# EAGLE board Mk4 Final Panel 8up 4x2 (EAGLE 9.0.1), part 23 of 23
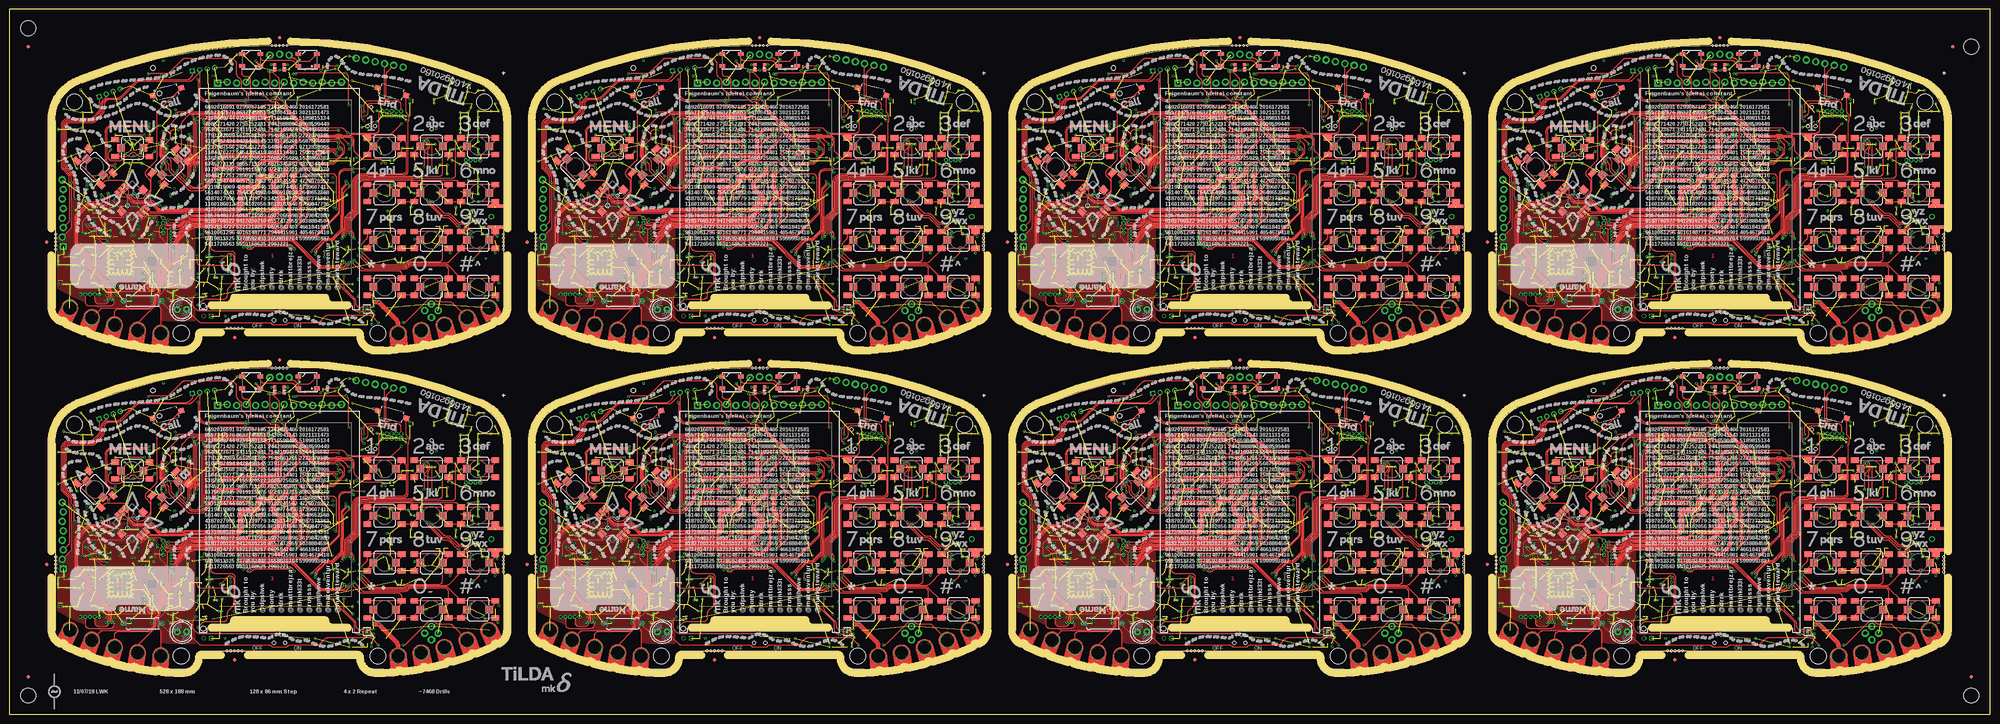
[diagram p0: board, top side]
## Tracks (layer width: path | path; a pad name or v marks a point on that pad's centre or on a via) (continued)
VBATT7  (via drill 0.3)  (19 unrouted) (continued)
  pour Bottom (no thermals): 489.09,120.25 487.25,120.25 arc-90 486.25,121.25 486.25,122 arc-90 487.25,123 497,123 arc90 498,124 498,127.25 arc-90 499,128.25 499.25,128.25 499.5,128.5 499.5,131 501,131 501,128.8 arc-90 500,127.8 499.75,127.8 arc90 498.75,126.8 498.75,122 arc-90 497.75,121 490.66,121 arc45 489.96,120.71 489.79,120.54 arc-45
  pour 3V3@2 (no thermals): 488,123.5 490.5,123.5 491.5,122.5 491.5,121 491,120.5 481.5,120.5 479.5,118.5 438,118.5 436.8,117.4 436.8,111.6 436.3,111 435,111 434.75,111.25 434.75,118.5 436.25,120 478,120 480.5,122.5 487,122.5
  pour Bottom (no thermals): 428.2,111.9 428.2,111.8 428.75,111.8 429.1,111.45 429.1,111.05 arc90 429.6,110.55 430.8,110.55 430.8,111.5 430.15,111.5 429.8,111.85 429,111.85 428.95,111.9
VBUS  (via drill 0.3)  (3 unrouted)
  Top 0.2: v89.75,84.95 76.55,84.95 v76.35,84.75
  Top 0.22: v90.5,76.5 90.5,83.79 arc45 90.21,84.49 v89.75,84.95
  3V3@2 0.2: v57.5,40.75 52.75,40.75 v51.5,42
  3V3@2 0.75: 51,42 51,43.5 54.25,46.75 v54.25,79 v53.75,79.5 | v51.5,42 51,42 | 51,42 v50.75,42 | v54.25,84.25 75.25,84.25 v75.75,84.75 v76.35,84.75
  Bottom 0.15: v89.75,84.95 89.7,85 IC7.5
  Bottom 0.2: LED6.A v57.5,40.75
  Bottom 0.22: IC1.96 78.2,73.5 arc-90 79.2,74.5 89.5,74.5 arc90 90.5,75.5 v90.5,76.5
  Bottom 0.5: TP7.TP v75.75,84.75
  Bottom 0.75: L2.2 v75.75,84.75 | v54.25,79 53.79,79.46 arc-45 53.5,80.16 53.5,83.09 arc-45 53.79,83.79 v54.25,84.25 v55,84.25
  pour Bottom (no thermals): 52.05,37.7 52.05,41.95 51.65,42.35 50.65,42.35 50.25,41.95 50.25,37.8 50.85,37.2 51.6,37.2 51.6,37.7
VBUS1  (via drill 0.3)  (3 unrouted)
  Top 0.2: v217.75,84.95 204.55,84.95 v204.35,84.75
  Top 0.22: v218.5,76.5 218.5,83.79 arc45 218.21,84.49 v217.75,84.95
  3V3@2 0.2: v185.5,40.75 180.75,40.75 v179.5,42
  3V3@2 0.75: 179,42 179,43.5 182.25,46.75 v182.25,79 v181.75,79.5 | v179.5,42 179,42 | 179,42 v178.75,42 | v182.25,84.25 203.25,84.25 v203.75,84.75 v204.35,84.75
  Bottom 0.15: v217.75,84.95 217.7,85 IC23.5
  Bottom 0.2: LED12.A v185.5,40.75
  Bottom 0.22: IC20.96 206.2,73.5 arc-90 207.2,74.5 217.5,74.5 arc90 218.5,75.5 v218.5,76.5
  Bottom 0.5: TP26.TP v203.75,84.75
  Bottom 0.75: L10.2 v203.75,84.75 | v182.25,79 181.79,79.46 arc-45 181.5,80.16 181.5,83.09 arc-45 181.79,83.79 v182.25,84.25 v183,84.25
  pour Bottom (no thermals): 180.05,37.7 180.05,41.95 179.65,42.35 178.65,42.35 178.25,41.95 178.25,37.8 178.85,37.2 179.6,37.2 179.6,37.7
VBUS2  (via drill 0.3)  (3 unrouted)
  Top 0.2: v89.75,170.95 76.55,170.95 v76.35,170.75
  Top 0.22: v90.5,162.5 90.5,169.79 arc45 90.21,170.49 v89.75,170.95
  3V3@2 0.2: v57.5,126.75 52.75,126.75 v51.5,128
  3V3@2 0.75: 51,128 51,129.5 54.25,132.75 v54.25,165 v53.75,165.5 | v51.5,128 51,128 | 51,128 v50.75,128 | v54.25,170.25 75.25,170.25 v75.75,170.75 v76.35,170.75
  Bottom 0.15: v89.75,170.95 89.7,171 IC41.5
  Bottom 0.2: LED18.A v57.5,126.75
  Bottom 0.22: IC38.96 78.2,159.5 arc-90 79.2,160.5 89.5,160.5 arc90 90.5,161.5 v90.5,162.5
  Bottom 0.5: TP45.TP v75.75,170.75
  Bottom 0.75: L19.2 v75.75,170.75 | v54.25,165 53.79,165.46 arc-45 53.5,166.16 53.5,169.09 arc-45 53.79,169.79 v54.25,170.25 v55,170.25
  pour Bottom (no thermals): 52.05,123.7 52.05,127.95 51.65,128.35 50.65,128.35 50.25,127.95 50.25,123.8 50.85,123.2 51.6,123.2 51.6,123.7
VBUS3  (via drill 0.3)  (3 unrouted)
  Top 0.2: v217.75,170.95 204.55,170.95 v204.35,170.75
  Top 0.22: v218.5,162.5 218.5,169.79 arc45 218.21,170.49 v217.75,170.95
  3V3@2 0.2: v185.5,126.75 180.75,126.75 v179.5,128
  3V3@2 0.75: 179,128 179,129.5 182.25,132.75 v182.25,165 v181.75,165.5 | v179.5,128 179,128 | 179,128 v178.75,128 | v182.25,170.25 203.25,170.25 v203.75,170.75 v204.35,170.75
  Bottom 0.15: v217.75,170.95 217.7,171 IC59.5
  Bottom 0.2: LED24.A v185.5,126.75
  Bottom 0.22: IC56.96 206.2,159.5 arc-90 207.2,160.5 217.5,160.5 arc90 218.5,161.5 v218.5,162.5
  Bottom 0.5: TP64.TP v203.75,170.75
  Bottom 0.75: L28.2 v203.75,170.75 | v182.25,165 181.79,165.46 arc-45 181.5,166.16 181.5,169.09 arc-45 181.79,169.79 v182.25,170.25 v183,170.25
  pour Bottom (no thermals): 180.05,123.7 180.05,127.95 179.65,128.35 178.65,128.35 178.25,127.95 178.25,123.8 178.85,123.2 179.6,123.2 179.6,123.7
VBUS4  (via drill 0.3)  (3 unrouted)
  Top 0.2: v345.75,84.95 332.55,84.95 v332.35,84.75
  Top 0.22: v346.5,76.5 346.5,83.79 arc45 346.21,84.49 v345.75,84.95
  3V3@2 0.2: v313.5,40.75 308.75,40.75 v307.5,42
  3V3@2 0.75: 307,42 307,43.5 310.25,46.75 v310.25,79 v309.75,79.5 | v307.5,42 307,42 | 307,42 v306.75,42 | v310.25,84.25 331.25,84.25 v331.75,84.75 v332.35,84.75
  Bottom 0.15: v345.75,84.95 345.7,85 IC77.5
  Bottom 0.2: LED30.A v313.5,40.75
  Bottom 0.22: IC74.96 334.2,73.5 arc-90 335.2,74.5 345.5,74.5 arc90 346.5,75.5 v346.5,76.5
  Bottom 0.5: TP83.TP v331.75,84.75
  Bottom 0.75: L37.2 v331.75,84.75 | v310.25,79 309.79,79.46 arc-45 309.5,80.16 309.5,83.09 arc-45 309.79,83.79 v310.25,84.25 v311,84.25
  pour Bottom (no thermals): 308.05,37.7 308.05,41.95 307.65,42.35 306.65,42.35 306.25,41.95 306.25,37.8 306.85,37.2 307.6,37.2 307.6,37.7
VBUS5  (via drill 0.3)  (3 unrouted)
  Top 0.2: v473.75,84.95 460.55,84.95 v460.35,84.75
  Top 0.22: v474.5,76.5 474.5,83.79 arc45 474.21,84.49 v473.75,84.95
  3V3@2 0.2: v441.5,40.75 436.75,40.75 v435.5,42
  3V3@2 0.75: 435,42 435,43.5 438.25,46.75 v438.25,79 v437.75,79.5 | v435.5,42 435,42 | 435,42 v434.75,42 | v438.25,84.25 459.25,84.25 v459.75,84.75 v460.35,84.75
  Bottom 0.15: v473.75,84.95 473.7,85 IC95.5
  Bottom 0.2: LED36.A v441.5,40.75
  Bottom 0.22: IC92.96 462.2,73.5 arc-90 463.2,74.5 473.5,74.5 arc90 474.5,75.5 v474.5,76.5
  Bottom 0.5: TP102.TP v459.75,84.75
  Bottom 0.75: L46.2 v459.75,84.75 | v438.25,79 437.79,79.46 arc-45 437.5,80.16 437.5,83.09 arc-45 437.79,83.79 v438.25,84.25 v439,84.25
  pour Bottom (no thermals): 436.05,37.7 436.05,41.95 435.65,42.35 434.65,42.35 434.25,41.95 434.25,37.8 434.85,37.2 435.6,37.2 435.6,37.7
VBUS6  (via drill 0.3)  (3 unrouted)
  Top 0.2: v345.75,170.95 332.55,170.95 v332.35,170.75
  Top 0.22: v346.5,162.5 346.5,169.79 arc45 346.21,170.49 v345.75,170.95
  3V3@2 0.2: v313.5,126.75 308.75,126.75 v307.5,128
  3V3@2 0.75: 307,128 307,129.5 310.25,132.75 v310.25,165 v309.75,165.5 | v307.5,128 307,128 | 307,128 v306.75,128 | v310.25,170.25 331.25,170.25 v331.75,170.75 v332.35,170.75
  Bottom 0.15: v345.75,170.95 345.7,171 IC113.5
  Bottom 0.2: LED42.A v313.5,126.75
  Bottom 0.22: IC110.96 334.2,159.5 arc-90 335.2,160.5 345.5,160.5 arc90 346.5,161.5 v346.5,162.5
  Bottom 0.5: TP121.TP v331.75,170.75
  Bottom 0.75: L55.2 v331.75,170.75 | v310.25,165 309.79,165.46 arc-45 309.5,166.16 309.5,169.09 arc-45 309.79,169.79 v310.25,170.25 v311,170.25
  pour Bottom (no thermals): 308.05,123.7 308.05,127.95 307.65,128.35 306.65,128.35 306.25,127.95 306.25,123.8 306.85,123.2 307.6,123.2 307.6,123.7
VBUS7  (via drill 0.3)  (3 unrouted)
  Top 0.2: v473.75,170.95 460.55,170.95 v460.35,170.75
  Top 0.22: v474.5,162.5 474.5,169.79 arc45 474.21,170.49 v473.75,170.95
  3V3@2 0.2: v441.5,126.75 436.75,126.75 v435.5,128
  3V3@2 0.75: 435,128 435,129.5 438.25,132.75 v438.25,165 v437.75,165.5 | v435.5,128 435,128 | 435,128 v434.75,128 | v438.25,170.25 459.25,170.25 v459.75,170.75 v460.35,170.75
  Bottom 0.15: v473.75,170.95 473.7,171 IC131.5
  Bottom 0.2: LED48.A v441.5,126.75
  Bottom 0.22: IC128.96 462.2,159.5 arc-90 463.2,160.5 473.5,160.5 arc90 474.5,161.5 v474.5,162.5
  Bottom 0.5: TP140.TP v459.75,170.75
  Bottom 0.75: L64.2 v459.75,170.75 | v438.25,165 437.79,165.46 arc-45 437.5,166.16 437.5,169.09 arc-45 437.79,169.79 v438.25,170.25 v439,170.25
  pour Bottom (no thermals): 436.05,123.7 436.05,127.95 435.65,128.35 434.65,128.35 434.25,127.95 434.25,123.8 434.85,123.2 435.6,123.2 435.6,123.7
VBUS_L
  Bottom 0.4: U1.VBUS arc-47 L2.1
VBUS_L1
  Bottom 0.4: U2.VBUS arc-47 L10.1
VBUS_L2
  Bottom 0.4: U7.VBUS arc-47 L19.1
VBUS_L3
  Bottom 0.4: U10.VBUS arc-47 L28.1
VBUS_L4
  Bottom 0.4: U13.VBUS arc-47 L37.1
VBUS_L5
  Bottom 0.4: U16.VBUS arc-47 L46.1
VBUS_L6
  Bottom 0.4: U19.VBUS arc-47 L55.1
VBUS_L7
  Bottom 0.4: U22.VBUS arc-47 L64.1
VDD_ANA  (via drill 0.3)  (3 unrouted)
  Bottom 0.2: IC15.48 34.55,38.95
  Bottom 0.25: C44.1 26.1,41.4 26.96,40.54 arc-45 27.25,39.84 IC15.36 | IC15.25 24.91,34.75 arc-45 24.21,35.04 C62.1 v24,36
  Bottom 0.4: 34.55,38.95 arc45 35.03,38.75 C61.1 v36.25,39.5 | C44.1 v25.35,41.75
  Bottom 0.5: C63.1 23.45,45.6 v22.6,45.6 | C63.1 23.5,44.85 v22.6,44.85 | C63.1 L7.1
  pour 3V3@2 (rank 2, no thermals): 36.75,39.75 36.75,39 36.25,38.5 34.5,38.5 33.75,39.5 26.5,39.5 24.5,37.5 24.5,36 24,35.5 23.75,35.5 23.5,35.75 23.5,36.5 23.75,36.75 23.75,39.5 23.25,40 22.5,40 22,40.5 22,44.3 21.7,44.6 21.7,45.5 22.2,46 22.8,46 23.25,45.55 23.25,42.25 23.5,42 25,42 25.25,42.25 27.65,42.25 29.65,40.25 36.25,40.25
VDD_ANA1  (via drill 0.3)  (3 unrouted)
  Bottom 0.2: IC29.48 162.55,38.95
  Bottom 0.25: C190.1 154.1,41.4 154.96,40.54 arc-45 155.25,39.84 IC29.36 | IC29.25 152.91,34.75 arc-45 152.21,35.04 C188.1 v152,36
  Bottom 0.4: 162.55,38.95 arc45 163.03,38.75 C191.1 v164.25,39.5 | C190.1 v153.35,41.75
  Bottom 0.5: C189.1 151.45,45.6 v150.6,45.6 | C189.1 151.5,44.85 v150.6,44.85 | C189.1 L16.1
  pour 3V3@2 (rank 2, no thermals): 164.75,39.75 164.75,39 164.25,38.5 162.5,38.5 161.75,39.5 154.5,39.5 152.5,37.5 152.5,36 152,35.5 151.75,35.5 151.5,35.75 151.5,36.5 151.75,36.75 151.75,39.5 151.25,40 150.5,40 150,40.5 150,44.3 149.7,44.6 149.7,45.5 150.2,46 150.8,46 151.25,45.55 151.25,42.25 151.5,42 153,42 153.25,42.25 155.65,42.25 157.65,40.25 164.25,40.25
VDD_ANA2  (via drill 0.3)  (3 unrouted)
  Bottom 0.2: IC47.48 34.55,124.95
  Bottom 0.25: C298.1 26.1,127.4 26.96,126.54 arc-45 27.25,125.84 IC47.36 | IC47.25 24.91,120.75 arc-45 24.21,121.04 C296.1 v24,122
  Bottom 0.4: 34.55,124.95 arc45 35.03,124.75 C299.1 v36.25,125.5 | C298.1 v25.35,127.75
  Bottom 0.5: C297.1 23.45,131.6 v22.6,131.6 | C297.1 23.5,130.85 v22.6,130.85 | C297.1 L25.1
  pour 3V3@2 (rank 2, no thermals): 36.75,125.75 36.75,125 36.25,124.5 34.5,124.5 33.75,125.5 26.5,125.5 24.5,123.5 24.5,122 24,121.5 23.75,121.5 23.5,121.75 23.5,122.5 23.75,122.75 23.75,125.5 23.25,126 22.5,126 22,126.5 22,130.3 21.7,130.6 21.7,131.5 22.2,132 22.8,132 23.25,131.55 23.25,128.25 23.5,128 25,128 25.25,128.25 27.65,128.25 29.65,126.25 36.25,126.25
VDD_ANA3  (via drill 0.3)  (3 unrouted)
  Bottom 0.2: IC65.48 162.55,124.95
  Bottom 0.25: C406.1 154.1,127.4 154.96,126.54 arc-45 155.25,125.84 IC65.36 | IC65.25 152.91,120.75 arc-45 152.21,121.04 C404.1 v152,122
  Bottom 0.4: 162.55,124.95 arc45 163.03,124.75 C407.1 v164.25,125.5 | C406.1 v153.35,127.75
  Bottom 0.5: C405.1 151.45,131.6 v150.6,131.6 | C405.1 151.5,130.85 v150.6,130.85 | C405.1 L34.1
  pour 3V3@2 (rank 2, no thermals): 164.75,125.75 164.75,125 164.25,124.5 162.5,124.5 161.75,125.5 154.5,125.5 152.5,123.5 152.5,122 152,121.5 151.75,121.5 151.5,121.75 151.5,122.5 151.75,122.75 151.75,125.5 151.25,126 150.5,126 150,126.5 150,130.3 149.7,130.6 149.7,131.5 150.2,132 150.8,132 151.25,131.55 151.25,128.25 151.5,128 153,128 153.25,128.25 155.65,128.25 157.65,126.25 164.25,126.25
VDD_ANA4  (via drill 0.3)  (3 unrouted)
  Bottom 0.2: IC83.48 290.55,38.95
  Bottom 0.25: C514.1 282.1,41.4 282.96,40.54 arc-45 283.25,39.84 IC83.36 | IC83.25 280.91,34.75 arc-45 280.21,35.04 C512.1 v280,36
  Bottom 0.4: 290.55,38.95 arc45 291.03,38.75 C515.1 v292.25,39.5 | C514.1 v281.35,41.75
  Bottom 0.5: C513.1 279.45,45.6 v278.6,45.6 | C513.1 279.5,44.85 v278.6,44.85 | C513.1 L43.1
  pour 3V3@2 (rank 2, no thermals): 292.75,39.75 292.75,39 292.25,38.5 290.5,38.5 289.75,39.5 282.5,39.5 280.5,37.5 280.5,36 280,35.5 279.75,35.5 279.5,35.75 279.5,36.5 279.75,36.75 279.75,39.5 279.25,40 278.5,40 278,40.5 278,44.3 277.7,44.6 277.7,45.5 278.2,46 278.8,46 279.25,45.55 279.25,42.25 279.5,42 281,42 281.25,42.25 283.65,42.25 285.65,40.25 292.25,40.25
VDD_ANA5  (via drill 0.3)  (3 unrouted)
  Bottom 0.2: IC101.48 418.55,38.95
  Bottom 0.25: C622.1 410.1,41.4 410.96,40.54 arc-45 411.25,39.84 IC101.36 | IC101.25 408.91,34.75 arc-45 408.21,35.04 C620.1 v408,36
  Bottom 0.4: 418.55,38.95 arc45 419.03,38.75 C623.1 v420.25,39.5 | C622.1 v409.35,41.75
  Bottom 0.5: C621.1 407.45,45.6 v406.6,45.6 | C621.1 407.5,44.85 v406.6,44.85 | C621.1 L52.1
  pour 3V3@2 (rank 2, no thermals): 420.75,39.75 420.75,39 420.25,38.5 418.5,38.5 417.75,39.5 410.5,39.5 408.5,37.5 408.5,36 408,35.5 407.75,35.5 407.5,35.75 407.5,36.5 407.75,36.75 407.75,39.5 407.25,40 406.5,40 406,40.5 406,44.3 405.7,44.6 405.7,45.5 406.2,46 406.8,46 407.25,45.55 407.25,42.25 407.5,42 409,42 409.25,42.25 411.65,42.25 413.65,40.25 420.25,40.25
VDD_ANA6  (via drill 0.3)  (3 unrouted)
  Bottom 0.2: IC119.48 290.55,124.95
  Bottom 0.25: C730.1 282.1,127.4 282.96,126.54 arc-45 283.25,125.84 IC119.36 | IC119.25 280.91,120.75 arc-45 280.21,121.04 C728.1 v280,122
  Bottom 0.4: 290.55,124.95 arc45 291.03,124.75 C731.1 v292.25,125.5 | C730.1 v281.35,127.75
  Bottom 0.5: C729.1 279.45,131.6 v278.6,131.6 | C729.1 279.5,130.85 v278.6,130.85 | C729.1 L61.1
  pour 3V3@2 (rank 2, no thermals): 292.75,125.75 292.75,125 292.25,124.5 290.5,124.5 289.75,125.5 282.5,125.5 280.5,123.5 280.5,122 280,121.5 279.75,121.5 279.5,121.75 279.5,122.5 279.75,122.75 279.75,125.5 279.25,126 278.5,126 278,126.5 278,130.3 277.7,130.6 277.7,131.5 278.2,132 278.8,132 279.25,131.55 279.25,128.25 279.5,128 281,128 281.25,128.25 283.65,128.25 285.65,126.25 292.25,126.25
VDD_ANA7  (via drill 0.3)  (3 unrouted)
  Bottom 0.2: IC137.48 418.55,124.95
  Bottom 0.25: C838.1 410.1,127.4 410.96,126.54 arc-45 411.25,125.84 IC137.36 | IC137.25 408.91,120.75 arc-45 408.21,121.04 C836.1 v408,122
  Bottom 0.4: 418.55,124.95 arc45 419.03,124.75 C839.1 v420.25,125.5 | C838.1 v409.35,127.75
  Bottom 0.5: C837.1 407.45,131.6 v406.6,131.6 | C837.1 407.5,130.85 v406.6,130.85 | C837.1 L70.1
  pour 3V3@2 (rank 2, no thermals): 420.75,125.75 420.75,125 420.25,124.5 418.5,124.5 417.75,125.5 410.5,125.5 408.5,123.5 408.5,122 408,121.5 407.75,121.5 407.5,121.75 407.5,122.5 407.75,122.75 407.75,125.5 407.25,126 406.5,126 406,126.5 406,130.3 405.7,130.6 405.7,131.5 406.2,132 406.8,132 407.25,131.55 407.25,128.25 407.5,128 409,128 409.25,128.25 411.65,128.25 413.65,126.25 420.25,126.25
VDD_DIG_CC  (via drill 0.3)
  3V3@2 0.5: v29,28.25 29,29 29.5,29.5 33.5,29.5 34.75,30.75 v35.75,30.75
  3V3@2 1: v35.75,30.75 36.25,30.75 37.3,31.8 37.3,32.6 37.8,33.1 39.17,33.1 39.55,33.48 39.55,37.45 39.5,37.5 v39.5,44.5 v39.5,45.25
  Bottom 0.25: C96.1 v35.75,30.75 35.23,31.27 arc-45 35.17,31.41 35.17,31.86 arc45 35.12,32 35.06,32.06 arc-45 35,32.2 35,33.75 arc90 34,34.75 IC15.56 | IC15.9 29.25,28.85 arc-45 v29,28.25 C97.1
  Bottom 0.4: C87.1 38.25,45 38.05,45.2 36.1,45.2 L9.1 | v39.5,45.25 38.6,45.25 C87.1 | v39.5,44.5 38.65,44.5 C87.1
VDD_DIG_CC1  (via drill 0.3)
  3V3@2 0.5: v157,28.25 157,29 157.5,29.5 161.5,29.5 162.75,30.75 v163.75,30.75
  3V3@2 1: v163.75,30.75 164.25,30.75 165.3,31.8 165.3,32.6 165.8,33.1 167.17,33.1 167.55,33.48 167.55,37.45 167.5,37.5 v167.5,44.5 v167.5,45.25
  Bottom 0.25: C204.1 v163.75,30.75 163.23,31.27 arc-45 163.18,31.41 163.18,31.86 arc45 163.12,32 163.06,32.06 arc-45 163,32.2 163,33.75 arc90 162,34.75 IC29.56 | IC29.9 157.25,28.85 arc-45 v157,28.25 C205.1
  Bottom 0.4: C195.1 166.25,45 166.05,45.2 164.1,45.2 L18.1 | v167.5,45.25 166.6,45.25 C195.1 | v167.5,44.5 166.65,44.5 C195.1
VDD_DIG_CC2  (via drill 0.3)
  3V3@2 0.5: v29,114.25 29,115 29.5,115.5 33.5,115.5 34.75,116.75 v35.75,116.75
  3V3@2 1: v35.75,116.75 36.25,116.75 37.3,117.8 37.3,118.6 37.8,119.1 39.17,119.1 39.55,119.48 39.55,123.45 39.5,123.5 v39.5,130.5 v39.5,131.25
  Bottom 0.25: C312.1 v35.75,116.75 35.23,117.27 arc-45 35.17,117.41 35.17,117.86 arc45 35.12,118 35.06,118.06 arc-45 35,118.2 35,119.75 arc90 34,120.75 IC47.56 | IC47.9 29.25,114.85 arc-45 v29,114.25 C313.1
  Bottom 0.4: C303.1 38.25,131 38.05,131.2 36.1,131.2 L27.1 | v39.5,131.25 38.6,131.25 C303.1 | v39.5,130.5 38.65,130.5 C303.1
VDD_DIG_CC3  (via drill 0.3)
  3V3@2 0.5: v157,114.25 157,115 157.5,115.5 161.5,115.5 162.75,116.75 v163.75,116.75
  3V3@2 1: v163.75,116.75 164.25,116.75 165.3,117.8 165.3,118.6 165.8,119.1 167.17,119.1 167.55,119.48 167.55,123.45 167.5,123.5 v167.5,130.5 v167.5,131.25
  Bottom 0.25: C420.1 v163.75,116.75 163.23,117.27 arc-45 163.18,117.41 163.18,117.86 arc45 163.12,118 163.06,118.06 arc-45 163,118.2 163,119.75 arc90 162,120.75 IC65.56 | IC65.9 157.25,114.85 arc-45 v157,114.25 C421.1
  Bottom 0.4: C411.1 166.25,131 166.05,131.2 164.1,131.2 L36.1 | v167.5,131.25 166.6,131.25 C411.1 | v167.5,130.5 166.65,130.5 C411.1
VDD_DIG_CC4  (via drill 0.3)
  3V3@2 0.5: v285,28.25 285,29 285.5,29.5 289.5,29.5 290.75,30.75 v291.75,30.75
  3V3@2 1: v291.75,30.75 292.25,30.75 293.3,31.8 293.3,32.6 293.8,33.1 295.17,33.1 295.55,33.48 295.55,37.45 295.5,37.5 v295.5,44.5 v295.5,45.25
  Bottom 0.25: C528.1 v291.75,30.75 291.23,31.27 arc-45 291.18,31.41 291.18,31.86 arc45 291.12,32 291.06,32.06 arc-45 291,32.2 291,33.75 arc90 290,34.75 IC83.56 | IC83.9 285.25,28.85 arc-45 v285,28.25 C529.1
  Bottom 0.4: C519.1 294.25,45 294.05,45.2 292.1,45.2 L45.1 | v295.5,45.25 294.6,45.25 C519.1 | v295.5,44.5 294.65,44.5 C519.1
VDD_DIG_CC5  (via drill 0.3)
  3V3@2 0.5: v413,28.25 413,29 413.5,29.5 417.5,29.5 418.75,30.75 v419.75,30.75
  3V3@2 1: v419.75,30.75 420.25,30.75 421.3,31.8 421.3,32.6 421.8,33.1 423.17,33.1 423.55,33.48 423.55,37.45 423.5,37.5 v423.5,44.5 v423.5,45.25
  Bottom 0.25: C636.1 v419.75,30.75 419.23,31.27 arc-45 419.18,31.41 419.18,31.86 arc45 419.12,32 419.06,32.06 arc-45 419,32.2 419,33.75 arc90 418,34.75 IC101.56 | IC101.9 413.25,28.85 arc-45 v413,28.25 C637.1
  Bottom 0.4: C627.1 422.25,45 422.05,45.2 420.1,45.2 L54.1 | v423.5,45.25 422.6,45.25 C627.1 | v423.5,44.5 422.65,44.5 C627.1
VDD_DIG_CC6  (via drill 0.3)
  3V3@2 0.5: v285,114.25 285,115 285.5,115.5 289.5,115.5 290.75,116.75 v291.75,116.75
  3V3@2 1: v291.75,116.75 292.25,116.75 293.3,117.8 293.3,118.6 293.8,119.1 295.17,119.1 295.55,119.48 295.55,123.45 295.5,123.5 v295.5,130.5 v295.5,131.25
  Bottom 0.25: C744.1 v291.75,116.75 291.23,117.27 arc-45 291.18,117.41 291.18,117.86 arc45 291.12,118 291.06,118.06 arc-45 291,118.2 291,119.75 arc90 290,120.75 IC119.56 | IC119.9 285.25,114.85 arc-45 v285,114.25 C745.1
  Bottom 0.4: C735.1 294.25,131 294.05,131.2 292.1,131.2 L63.1 | v295.5,131.25 294.6,131.25 C735.1 | v295.5,130.5 294.65,130.5 C735.1
VDD_DIG_CC7  (via drill 0.3)
  3V3@2 0.5: v413,114.25 413,115 413.5,115.5 417.5,115.5 418.75,116.75 v419.75,116.75
  3V3@2 1: v419.75,116.75 420.25,116.75 421.3,117.8 421.3,118.6 421.8,119.1 423.17,119.1 423.55,119.48 423.55,123.45 423.5,123.5 v423.5,130.5 v423.5,131.25
  Bottom 0.25: C852.1 v419.75,116.75 419.23,117.27 arc-45 419.18,117.41 419.18,117.86 arc45 419.12,118 419.06,118.06 arc-45 419,118.2 419,119.75 arc90 418,120.75 IC137.56 | IC137.9 413.25,114.85 arc-45 v413,114.25 C853.1
  Bottom 0.4: C843.1 422.25,131 422.05,131.2 420.1,131.2 L72.1 | v423.5,131.25 422.6,131.25 C843.1 | v423.5,130.5 422.65,130.5 C843.1
VDD_EXT
  Bottom 0.2: R29.1 118,44.5 arc90 117,45.5 111.3,45.5 arc90 110.3,44.5 IC5.40
VDD_EXT1
  Bottom 0.2: R111.1 246,44.5 arc90 245,45.5 239.3,45.5 arc90 238.3,44.5 IC21.40
VDD_EXT2
  Bottom 0.2: R189.1 118,130.5 arc90 117,131.5 111.3,131.5 arc90 110.3,130.5 IC39.40
VDD_EXT3
  Bottom 0.2: R267.1 246,130.5 arc90 245,131.5 239.3,131.5 arc90 238.3,130.5 IC57.40
VDD_EXT4
  Bottom 0.2: R345.1 374,44.5 arc90 373,45.5 367.3,45.5 arc90 366.3,44.5 IC75.40
VDD_EXT5
  Bottom 0.2: R423.1 502,44.5 arc90 501,45.5 495.3,45.5 arc90 494.3,44.5 IC93.40
VDD_EXT6
  Bottom 0.2: R501.1 374,130.5 arc90 373,131.5 367.3,131.5 arc90 366.3,130.5 IC111.40
VDD_EXT7
  Bottom 0.2: R579.1 502,130.5 arc90 501,131.5 495.3,131.5 arc90 494.3,130.5 IC129.40
VDD_PA  (via drill 0.3)  (1 unrouted)
  Bottom 0.25: IC15.42 30.25,40 arc-45 30.54,40.71 31.16,41.32 arc45 31.45,42.03 31.45,43.24 arc-45 31.6,43.6 31.88,43.88 C85.1 | IC15.33 25.65,39.05
  Bottom 0.4: C85.1 C84.1 | C84.1 33.77,44.4 v34.25,44.4 | C84.1 33.73,43.4 v34.25,43.4 | C86.1 24.96,41.17 arc-45 25.25,40.46 25.25,39.86 arc45 25.54,39.16 25.65,39.05 | 24.7,41.95 24.7,42.08 | C86.1 24.7,42.08 | 24.7,42.08 v24.7,42.75 | v23.95,42.75 23.95,42.59 arc45 24.24,41.88 C86.1
  pour 3V3@2 (no thermals): 25,43.5 25,42.5 24.75,42.25 23.75,42.25 23.5,42.5 23.5,44.5 25,46 30.5,46 31.5,45 34.25,45 34.75,44.5 34.75,43.5 34.25,43 31,43 30,44 25.5,44
VDD_PA1  (via drill 0.3)  (1 unrouted)
  Bottom 0.25: IC29.42 158.25,40 arc-45 158.54,40.71 159.16,41.32 arc45 159.45,42.03 159.45,43.24 arc-45 159.6,43.6 159.88,43.88 C194.1 | IC29.33 153.65,39.05
  Bottom 0.4: C194.1 C193.1 | C193.1 161.78,44.4 v162.25,44.4 | C193.1 161.72,43.4 v162.25,43.4 | C192.1 152.96,41.17 arc-45 153.25,40.46 153.25,39.86 arc45 153.54,39.16 153.65,39.05 | 152.7,41.95 152.7,42.08 | C192.1 152.7,42.08 | 152.7,42.08 v152.7,42.75 | v151.95,42.75 151.95,42.59 arc45 152.24,41.88 C192.1
  pour 3V3@2 (no thermals): 153,43.5 153,42.5 152.75,42.25 151.75,42.25 151.5,42.5 151.5,44.5 153,46 158.5,46 159.5,45 162.25,45 162.75,44.5 162.75,43.5 162.25,43 159,43 158,44 153.5,44
VDD_PA2  (via drill 0.3)  (1 unrouted)
  Bottom 0.25: IC47.42 30.25,126 arc-45 30.54,126.71 31.16,127.32 arc45 31.45,128.03 31.45,129.24 arc-45 31.6,129.6 31.88,129.88 C302.1 | IC47.33 25.65,125.05
  Bottom 0.4: C302.1 C301.1 | C301.1 33.77,130.4 v34.25,130.4 | C301.1 33.73,129.4 v34.25,129.4 | C300.1 24.96,127.17 arc-45 25.25,126.46 25.25,125.86 arc45 25.54,125.16 25.65,125.05 | 24.7,127.95 24.7,128.07 | C300.1 24.7,128.07 | 24.7,128.07 v24.7,128.75 | v23.95,128.75 23.95,128.59 arc45 24.24,127.88 C300.1
  pour 3V3@2 (no thermals): 25,129.5 25,128.5 24.75,128.25 23.75,128.25 23.5,128.5 23.5,130.5 25,132 30.5,132 31.5,131 34.25,131 34.75,130.5 34.75,129.5 34.25,129 31,129 30,130 25.5,130
VDD_PA3  (via drill 0.3)  (1 unrouted)
  Bottom 0.25: IC65.42 158.25,126 arc-45 158.54,126.71 159.16,127.32 arc45 159.45,128.03 159.45,129.24 arc-45 159.6,129.6 159.88,129.88 C410.1 | IC65.33 153.65,125.05
  Bottom 0.4: C410.1 C409.1 | C409.1 161.78,130.4 v162.25,130.4 | C409.1 161.72,129.4 v162.25,129.4 | C408.1 152.96,127.17 arc-45 153.25,126.46 153.25,125.86 arc45 153.54,125.16 153.65,125.05 | 152.7,127.95 152.7,128.07 | C408.1 152.7,128.07 | 152.7,128.07 v152.7,128.75 | v151.95,128.75 151.95,128.59 arc45 152.24,127.88 C408.1
  pour 3V3@2 (no thermals): 153,129.5 153,128.5 152.75,128.25 151.75,128.25 151.5,128.5 151.5,130.5 153,132 158.5,132 159.5,131 162.25,131 162.75,130.5 162.75,129.5 162.25,129 159,129 158,130 153.5,130
VDD_PA4  (via drill 0.3)  (1 unrouted)
  Bottom 0.25: IC83.42 286.25,40 arc-45 286.54,40.71 287.16,41.32 arc45 287.45,42.03 287.45,43.24 arc-45 287.6,43.6 287.88,43.88 C518.1 | IC83.33 281.65,39.05
  Bottom 0.4: C518.1 C517.1 | C517.1 289.77,44.4 v290.25,44.4 | C517.1 289.73,43.4 v290.25,43.4 | C516.1 280.96,41.17 arc-45 281.25,40.46 281.25,39.86 arc45 281.54,39.16 281.65,39.05 | 280.7,41.95 280.7,42.08 | C516.1 280.7,42.08 | 280.7,42.08 v280.7,42.75 | v279.95,42.75 279.95,42.59 arc45 280.24,41.88 C516.1
  pour 3V3@2 (no thermals): 281,43.5 281,42.5 280.75,42.25 279.75,42.25 279.5,42.5 279.5,44.5 281,46 286.5,46 287.5,45 290.25,45 290.75,44.5 290.75,43.5 290.25,43 287,43 286,44 281.5,44
VDD_PA5  (via drill 0.3)  (1 unrouted)
  Bottom 0.25: IC101.42 414.25,40 arc-45 414.54,40.71 415.16,41.32 arc45 415.45,42.03 415.45,43.24 arc-45 415.6,43.6 415.88,43.88 C626.1 | IC101.33 409.65,39.05
  Bottom 0.4: C626.1 C625.1 | C625.1 417.77,44.4 v418.25,44.4 | C625.1 417.73,43.4 v418.25,43.4 | C624.1 408.96,41.17 arc-45 409.25,40.46 409.25,39.86 arc45 409.54,39.16 409.65,39.05 | 408.7,41.95 408.7,42.08 | C624.1 408.7,42.08 | 408.7,42.08 v408.7,42.75 | v407.95,42.75 407.95,42.59 arc45 408.24,41.88 C624.1
  pour 3V3@2 (no thermals): 409,43.5 409,42.5 408.75,42.25 407.75,42.25 407.5,42.5 407.5,44.5 409,46 414.5,46 415.5,45 418.25,45 418.75,44.5 418.75,43.5 418.25,43 415,43 414,44 409.5,44
VDD_PA6  (via drill 0.3)  (1 unrouted)
  Bottom 0.25: IC119.42 286.25,126 arc-45 286.54,126.71 287.16,127.32 arc45 287.45,128.03 287.45,129.24 arc-45 287.6,129.6 287.88,129.88 C734.1 | IC119.33 281.65,125.05
  Bottom 0.4: C734.1 C733.1 | C733.1 289.77,130.4 v290.25,130.4 | C733.1 289.73,129.4 v290.25,129.4 | C732.1 280.96,127.17 arc-45 281.25,126.46 281.25,125.86 arc45 281.54,125.16 281.65,125.05 | 280.7,127.95 280.7,128.07 | C732.1 280.7,128.07 | 280.7,128.07 v280.7,128.75 | v279.95,128.75 279.95,128.59 arc45 280.24,127.88 C732.1